# Altium PCB PCB.PcbDoc (continued)
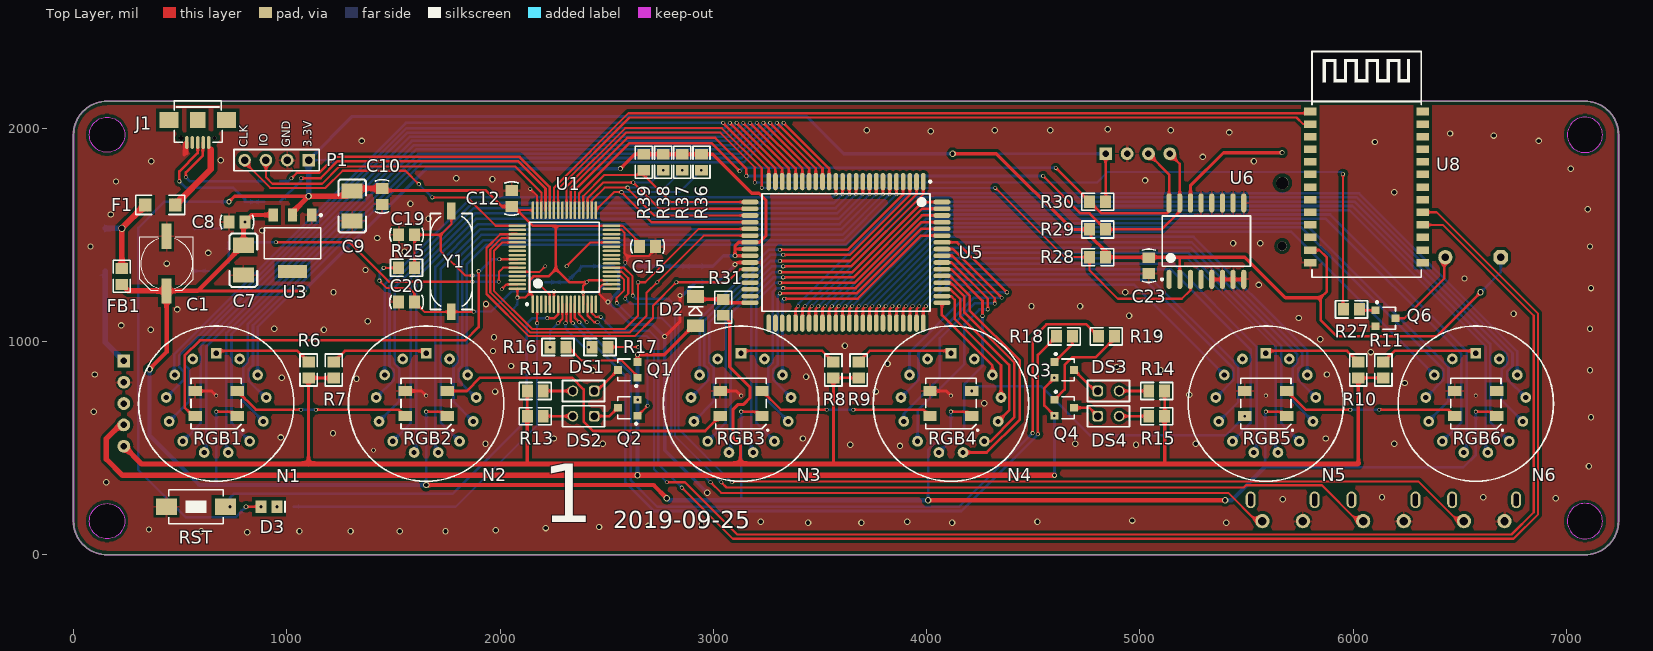
[diagram p0: Top Layer view]
## Nets (pads, with @x,y where several pads share a name; then routed paths per layer and width w, separated by ;. In a path a pad name is that pad's centre, name@x,y a point inside that pad or via, vN(x,y) a via of type N, cw(c..) or ccw(c..) an arc to the next point about the centre after c; other vN are vias at no path point) (continued)
HV_CLK: R35.1 U1.52 U5.30 | length 1898.9
  Top Layer w10: U1.52 2079.64,1485.36 2008.21,1485.36 1953.89,1431.04 1953.89,1230.48 2142.37,1042 2608.89,1042 2686.89,1120 2686.89,1227.6 v1(2736.89,1277.6) 2955.35,1496.06 U5.30
HV_DIN1: R39.1 U1.36 U5.25 | length 985.9
  Top Layer w10: U1.36 2390.47,1681.1 2489.37,1780 R39.1@2674.37,1780 ; U5.25 2800.83,1653.54 R39.1@2674.37,1780 ; R39.1@2674.37,1780 R39.1 R39.1@2674.37,1780
HV_DIN2: R38.1 U1.35 U5.26 | length 1062.9
  Top Layer w10: U1.35 2410.16,1670.79 2484.37,1745 v1(2624.37,1745) 2747.32,1622.05 U5.26
  Bottom Layer w10: v1(2624.37,1745) 2706.78,1745 v1(2764.37,1802.6)
HV_DIN3: R37.1 U1.34 U5.27 | length 1159.2
  Top Layer w10: U1.34 2429.84,1660.47 2490.37,1721 v1(2598.37,1721) 2598.37,1716 2723.82,1590.55 U5.27
  Bottom Layer w10: v1(2598.37,1721) 2772.78,1721 v1(2854.37,1802.6)
HV_DIN4: R36.1 U1.33 U5.28 | length 1233.6
  Top Layer w10: U1.33 2534.06,1700 v1(2569.37,1700) 2710.32,1559.06 U5.28
  Bottom Layer w10: v1(2569.37,1700) 2841.78,1700 v1(2944.37,1802.6)
HV_LE: R34.1 U1.53 U5.29 | length 1875
  Top Layer w10: U1.53 2010.79,1463.9 1970.89,1424 1970.89,1237.86 2149.75,1059 2585.89,1059 2646.89,1120 v1(2646.89,1277.6) 2681.49,1277.6 2931.45,1527.56 U5.29
HV_POL: R33.1 U1.51 U5.35 | length 1871
  Top Layer w10: U1.51 2079.64,1505.05 2051.89,1505.05 2051.89,1502.36 2001.17,1502.36 1936.89,1438.08 1936.89,1222.48 2134.37,1025 2631.89,1025 2716.89,1110 2716.89,1167.6 v1(2826.89,1277.6) 3064.49,1277.6 3125.47,1338.58 U5.35
KEY0: KEY0.1 U1.20 | length 3957.8
  Top Layer w10: U1.20 2563.96,1306.42 2581.89,1288.49 2581.89,1240 2546.89,1205 v1(2546.89,1180) ; v1(2986.89,340) 3036.89,290 5414.37,290 5546.89,157.48 KEY0.1
  Bottom Layer w10: v1(2546.89,1180) 2616.89,1110 2757.89,1110 2802.89,1065 2802.89,524 v1(2986.89,340)
KEY1: KEY1.1 U1.21 | length 4437.6
  Top Layer w10: U1.21 2570.79,1326.1 2600.89,1296 2600.89,1224 2586.89,1210 v1(2586.89,1200) ; v1(3036.89,340) 3061.89,315 5486.64,315 5497.49,325.85 5853.52,325.85 6021.89,157.48 KEY1.1
  Bottom Layer w10: v1(2586.89,1200) 2611.89,1175 2789.37,1175 2819.89,1144.48 2819.89,557 v1(3036.89,340)
KEY2: KEY2.1 U1.22 | length 4874.5
  Top Layer w10: U1.22 2581.1,1345.79 2621.89,1305 v1(2621.89,1215) ; v1(3086.89,340) 3089.74,342.85 6306.52,342.85 6491.89,157.48 KEY2.1
  Bottom Layer w10: v1(2621.89,1215) 2636.89,1200 2790.93,1200 2836.89,1154.04 2836.89,590 v1(3086.89,340)
LED: R32.1 U1.2 | length 1868.4
  Top Layer w10: v1(2173.94,1085) U1.2
  Bottom Layer w10: R32.1@1031.26,225 1791.89,225 2173.94,607.05 v1(2173.94,1085)
LED_RGB: RGB1.4 U1.57 | length 2210.2
  Top Layer w10: v1(1996.89,1385) 1997.05,1385.16 U1.57
  Top Layer w12: RGB1.4 562.28,649.61 521.52,690.37 521.52,933.56 592.95,1005 1836.89,1005 1899.37,1067.48 v1(1899.37,1330)
  Bottom Layer w12: v1(1899.37,1330) 1906.89,1330 1961.89,1385 v1(1996.89,1385)
NetB_2: B.2 Q6.3 | length 416
  Top Layer w10: Q6.3 6240.53,1108.64 6426.89,1295 B.2@6426.89,1405.08
NetBT_1: BT.1 U6.14 | length 575.1
  Top Layer w15: U6.14 5236.89,1730 5391.89,1885 v3(5666.89,1885)
NetD2_2: D2.2 R31.2 U5.40 | length 244.6
  Top Layer w15: D2.2 2930.28,1197.4 R31.2 ; R31.2@3063.19,1181.1 U5.40
NetD3_2: D3.2 R32.2
  other v3: 954.49,225
NetDS1_1: DS1.1 Q1.3 | length 151.2
  Top Layer w12: DS1.1 2453.74,767.72 Q1.3
NetDS1_2: DS1.2 R12.2 | length 139
  Top Layer w12: R12.2 DS1.2
NetDS2_1: DS2.1 Q2.3 | length 126.7
  Top Layer w12: DS2.1 2512.8,649.61 Q2.3
NetDS2_2: DS2.2 R13.2 | length 139
  Top Layer w12: R13.2 DS2.2
NetDS3_1: DS3.1 Q3.3 | length 151.2
  Top Layer w12: Q3.3 4790.35,767.72 DS3.1
NetDS3_2: DS3.2 R14.1 | length 139
  Top Layer w12: DS3.2 R14.1
NetDS4_1: DS4.1 Q4.3 | length 126.7
  Top Layer w12: Q4.3 4762.99,688.98 DS4.1
NetDS4_2: DS4.2 R15.2 | length 139
  Top Layer w12: DS4.2 R15.2
NetF1_1: F1.1 J1.1 | length 366.2
  Top Layer w15: J1.1 633.86,1910.51 644.37,1900
  Top Layer w30: F1.1 644.37,1807.48 644.37,1900
NetN1_1: N1.1 R6.1 | length 459.3
  Top Layer w12: N1.1 680.24,955.83 1050.08,955.83 R6.1
NetN2_1: N2.1 R7.1 | length 459.3
  Top Layer w12: R7.1 1272.75,955.82 1642.6,955.82 N2.1
NetN3_1: N3.1 R8.1 | length 459.3
  Top Layer w12: N3.1 3140.87,955.83 3510.71,955.83 R8.1
NetN4_1: N4.1 R9.1 | length 459.3
  Top Layer w12: R9.1 3733.38,955.82 4103.23,955.82 N4.1
NetN5_1: N5.1 R10.1 | length 459.3
  Top Layer w12: N5.1 5601.5,955.83 5971.34,955.83 R10.1
NetN6_1: N6.1 R11.1 | length 459.3
  Top Layer w12: R11.1 6194.01,955.82 6563.86,955.82 N6.1
NetQ1_1: Q1.1 R16.2 | length 406.9
  Top Layer w10: R16.2 2330.75,973.62 2330.75,962.96 2383.71,910 2571.89,910 2644.68,837.2 Q1.1
NetQ2_1: Q2.1 R17.2 | length 502.1
  Top Layer w10: R17.2 v1(2648.27,973.62) ; Q2.1 v1(2691.89,698.78)
  Bottom Layer w10: v1(2648.27,973.62) 2691.89,930 v1(2691.89,698.78)
NetQ3_1: Q3.1 R18.2 | length 154.7
  Top Layer w12: Q3.1 4683.07,987.2 R18.2
NetQ4_1: Q4.1 R19.2 | length 477.9
  Top Layer w12: Q4.1 4646.89,773.86 4646.89,890 4681.89,925 4791.89,925 4879.92,1013.03 R19.2
NetQ5_1: Q5.1 R2.1 | length 99.1
  Bottom Layer w10: R2.1@724.49,1465 728.15,1461.34 Q5.1
NetQ5_3: Q5.3 U9.2 | length 71.2
  Bottom Layer w10: U9.2@564.39,1330 Q5.3
NetQ6_1: Q6.1 R27.2 | length 78
  Top Layer w10: R27.2 6033.25,1146.04 Q6.1
NetR1_2: R1.2 U9.1 | length 177.5
  Bottom Layer w10: U9.1@564.39,1530 699.49,1530 R1.2
NetR21_2: R21.2 U1.44 | length 1478.2
  Top Layer w12: v1(1021.89,1765) 1046.89,1790 1151.89,1790 1226.89,1865 2091.89,1865 2232.99,1723.9 U1.44
  Bottom Layer w12: R21.2 1006.89,1750 v1(1021.89,1765)
NetR22_2: R22.2 U1.45 | length 1484.4
  Top Layer w12: v1(1066.89,1765) 1158.76,1765 1238.76,1845 2085.02,1845 2213.31,1716.71 U1.45
  Bottom Layer w12: R22.2 1066.89,1752.6 v1(1066.89,1765)
NetR23_2: R23.2 U1.60 | length 141.4
  Top Layer w10: U1.60 2185.59,1326.1 v1(2211.89,1352.4)
NetR26_1: R26.1 U1.28 | length 256.7
  Top Layer w10: v1(2311.89,1352.4) 2423.39,1463.9 U1.28
NetRGB1_2: RGB1.2 RGB2.4 | length 836.3
  Top Layer w12: RGB1.2 855.43,680 v1(1066.89,680) ; v1(1136.89,680) 1524.72,680 RGB2.4
  Bottom Layer w12: v1(1066.89,680) v1(1136.89,680)
NetRGB2_2: RGB2.2 RGB3.4 | length 1525.6
  Top Layer w12: RGB2.2 1844.61,767.72 1906.89,830 2336.89,830 2391.89,775 2391.89,625 2436.89,580 2961.89,580 RGB3.4
NetRGB3_2: RGB3.2 RGB4.4 | length 836.3
  Top Layer w12: RGB3.2 3316.06,680 v1(3531.89,680) ; v1(3656.89,680) 3985.35,680 RGB4.4
  Bottom Layer w12: v1(3531.89,680) v1(3656.89,680)
NetRGB4_2: RGB4.2 RGB5.4 | length 1421.1
  Bottom Layer w12: v1(4212.6,767.72) 4234.88,790 4536.89,790 4766.89,560 5402.52,560 v1(5492.13,649.61)
NetRGB5_2: RGB5.2 RGB6.4 | length 836.3
  Top Layer w12: RGB5.2 5776.69,680 v1(5986.89,680) ; v1(6121.89,680) 6445.98,680 RGB6.4
  Bottom Layer w12: v1(5986.89,680) v1(6121.89,680)
NetU4_1: U4.1 U9.3 | length 457.3
  Bottom Layer w25: U9.3@149.39,1330 149.39,995.49 U4.1
NX1-0: N1.12 U5.15 | length 3451.1
  Top Layer w12: v1(3329.37,2025) 3543.31,1811.06 U5.15
  Bottom Layer w12: N1.12 863.7,1066.81 1636.89,1840 3144.37,1840 v1(3329.37,2025)
NX1-1: N1.3 U5.24 | length 3485.1
  Top Layer w12: v1(3045.91,2025) 3259.84,1811.06 U5.24
  Bottom Layer w12: N1.3 471.89,845.85 471.89,937.68 1559.21,2025 v1(3045.91,2025)
NX1-2: N1.4 U5.23 | length 3637.2
  Top Layer w12: v1(3077.4,2025) 3291.34,1811.06 U5.23
  Bottom Layer w12: N1.4 516.89,819.23 516.89,860 496.89,880 496.89,935.81 1561.08,2000 3052.4,2000 v1(3077.4,2025)
NX1-3: N1.5 U5.22 | length 3759.9
  Top Layer w12: v1(3108.9,2025) 3322.83,1811.06 U5.22
  Bottom Layer w12: N1.5 541.89,718.36 541.89,870 521.52,890.37 521.52,933.56 1566.95,1979 3062.9,1979 v1(3108.9,2025)
NX1-4: N1.6 U5.21 | length 3824
  Top Layer w12: v1(3140.39,2025) 3354.33,1811.06 U5.21
  Bottom Layer w12: N1.6 597.52,616.72 597.52,980.63 1576.89,1960 3075.39,1960 v1(3140.39,2025)
NX1-5: N1.7 U5.20 | length 3849
  Top Layer w12: v1(3171.89,2025) 3385.83,1811.06 U5.20
  Bottom Layer w12: N1.7 622.82,489.37 622.82,975.93 1586.89,1940 3086.89,1940 v1(3171.89,2025)
NX1-6: N1.8 U5.19 | length 3823.5
  Top Layer w12: v1(3203.39,2025) 3417.32,1811.06 U5.19
  Bottom Layer w12: N1.8 716.89,488.25 716.89,1040 1596.89,1920 3098.39,1920 v1(3203.39,2025)
NX1-7: N1.9 U5.18 | length 3806.3
  Top Layer w12: v1(3234.88,2025) 3448.82,1811.06 U5.18
  Bottom Layer w12: N1.9 741.07,616.73 741.07,1034.18 1606.89,1900 3109.88,1900 v1(3234.88,2025)
NX1-8: N1.10 U5.17 | length 3707.5
  Top Layer w12: v1(3266.38,2025) 3480.32,1811.06 U5.17
  Bottom Layer w12: N1.10 796.89,718.18 796.89,881.91 817.07,902.09 817.07,1080.18 1616.89,1880 3121.38,1880 v1(3266.38,2025)
NX1-9: N1.11 U5.16 | length 3596.5
  Top Layer w12: v1(3297.87,2025) 3511.81,1811.06 U5.16
  Bottom Layer w12: N1.11 899.75,737.14 821.89,815 821.89,870 841.89,890 841.89,1075 1626.89,1860 3132.87,1860 v1(3297.87,2025)
NX2-0: N2.12 U5.5 | length 2730.4
  Top Layer w12: v1(3858.27,1690) U5.5
  Bottom Layer w12: N2.12 1843.48,847.32 1843.48,1361.59 1934.89,1453 3621.27,1453 v1(3858.27,1690)
NX2-1: N2.3 U5.14 | length 2774.2
  Top Layer w12: v1(3574.8,1690) U5.14
  Bottom Layer w12: N2.3 1459.14,1267.25 1866.89,1675 3559.8,1675 v1(3574.8,1690)
NX2-2: N2.4 U5.13 | length 2927
  Top Layer w12: v1(3606.3,1690) U5.13
  Bottom Layer w12: N2.4 1501.89,819.98 1501.89,865 1481.89,885 1481.89,1260 1871,1649.11 3565.41,1649.11 v1(3606.3,1690)
NX2-3: N2.5 U5.12 | length 3048.4
  Top Layer w12: v1(3637.8,1690) U5.12
  Bottom Layer w12: N2.5 1526.89,719.11 1526.89,875 1505.77,896.12 1505.77,1253.88 1876.89,1625 3572.8,1625 v1(3637.8,1690)
NX2-4: N2.6 U5.11 | length 3111.3
  Top Layer w12: v1(3669.29,1690) U5.11
  Bottom Layer w12: N2.6 1581.77,616.72 1581.77,1299.88 1881.89,1600 3579.29,1600 v1(3669.29,1690)
NX2-5: N2.7 U5.10 | length 3137
  Top Layer w12: v1(3700.79,1690) U5.10
  Bottom Layer w12: N2.7 1606.89,489.18 1606.89,1295 1886.89,1575 3586.89,1575 3700.79,1688.9 v1(3700.79,1690)
NX2-6: N2.8 U5.9 | length 3111.4
  Top Layer w12: v1(3732.28,1690) U5.9
  Bottom Layer w12: N2.8 1696.89,492.51 1696.89,1350 1896.89,1550 3592.28,1550 v1(3732.28,1690)
NX2-7: N2.9 U5.8 | length 3090.6
  Top Layer w12: v1(3763.78,1690) U5.8
  Bottom Layer w12: N2.9 1721.89,620.16 1721.89,1340 1906.89,1525 3598.78,1525 v1(3763.78,1690)
NX2-8: N2.10 U5.7 | length 2988.4
  Top Layer w12: v1(3795.28,1690) U5.7
  Bottom Layer w12: N2.10 1781.89,717.43 1781.89,882.66 1801.32,902.09 1801.32,1389.43 1911.89,1500 3605.28,1500 v1(3795.28,1690)
NX2-9: N2.11 U5.6 | length 2874
  Top Layer w12: v1(3826.77,1690) U5.6
  Bottom Layer w12: N2.11 1884.75,737.14 1806.89,815 1806.89,870 1821.89,885 1821.89,1375 1921.89,1475 3611.77,1475 v1(3826.77,1690)
NX3-0: N3.12 U5.75 | length 1222.9
  Top Layer w12: v1(3331.89,1200) 3676.89,1200 3972.95,1496.06 U5.75
  Bottom Layer w12: N3.12 3324.33,1192.44 v1(3331.89,1200)
NX3-1: N3.3 U5.4 | length 1518.2
  Top Layer w12: v1(3311.89,1430) 3631.89,1430 3889.76,1687.87 U5.4
  Bottom Layer w12: N3.3 2935.52,1103.63 3261.89,1430 v1(3311.89,1430)
NX3-2: N3.4 U5.3 | length 1668.8
  Top Layer w12: v1(3326.89,1406.01) 3639.57,1406.01 3921.26,1687.7 ; 3921.26,1690 U5.3
  Bottom Layer w12: N3.4 2976.89,818.6 2976.89,870 2956.89,890 2956.89,1095 3267.9,1406.01 v1(3326.89,1406.01)
NX3-3: N3.5 U5.2 | length 1793.3
  Top Layer w12: v1(3311.89,1377) 3639.76,1377 3952.76,1690 U5.2 U5.2@3954.89,1746.88
  Bottom Layer w12: N3.5 3001.89,717.73 3001.89,880 2981.89,900 2981.89,1090 3268.89,1377 v1(3311.89,1377)
NX3-4: N3.6 U5.1 | length 1854
  Top Layer w12: v1(3326.89,1352) 3646.25,1352 3984.25,1690 U5.1
  Bottom Layer w12: N3.6 3058.15,616.72 3058.15,1136.26 3273.89,1352 v1(3326.89,1352)
NX3-5: N3.7 U5.80 | length 1861
  Top Layer w12: v1(3311.89,1325) 3651.89,1325 3980.43,1653.54 U5.80
  Bottom Layer w12: N3.7 3081.89,487.81 3081.89,1130 3276.89,1325 v1(3311.89,1325)
NX3-6: N3.8 U5.79 | length 1791.5
  Top Layer w12: v1(3326.89,1300) 3656.89,1300 3978.94,1622.05 U5.79
  Bottom Layer w12: N3.8 3176.89,488.88 3176.89,1195 3281.89,1300 v1(3326.89,1300)
NX3-7: N3.9 U5.78 | length 1728.7
  Top Layer w12: v1(3311.89,1275) 3661.89,1275 3977.44,1590.55 U5.78
  Bottom Layer w12: N3.9 3201.7,616.73 3201.7,1188.79 3287.91,1275 v1(3311.89,1275)
NX3-8: N3.10 U5.77 | length 1583.5
  Top Layer w12: v1(3326.89,1250) 3666.89,1250 3975.94,1559.06 U5.77
  Bottom Layer w12: v1(3326.89,1250) 3296.89,1250 3277.7,1230.81 3277.7,900.81 3256.89,880 3256.89,720 3350.8,626.09 N3.10
NX3-9: N3.11 U5.76 | length 1419.8
  Top Layer w12: v1(3311.89,1225) 3671.89,1225 3974.45,1527.56 U5.76
  Bottom Layer w12: v1(3311.89,1225) 3301.89,1215 3301.89,890 3281.89,870 3281.89,819.67 N3.11
NX4-0: N4.12 U5.65 | length 436.3
  Top Layer w12: U5.65 4071.85,1123.67 4308.58,886.94 N4.12
NX4-1: N4.3 U5.74 | length 1092.4
  Top Layer w12: N4.3@3911.89,850.73 N4.3 ; U5.74 4142.32,1464.57 v1(4376.89,1230)
  Bottom Layer w12: N4.3 3919.77,947.88 4201.89,1230 v1(4376.89,1230)
NX4-2: N4.4 U5.73 | length 1114.1
  Top Layer w12: U5.73 4123.82,1433.07 v1(4351.89,1205)
  Bottom Layer w12: N4.4 3961.89,819.35 3961.89,945 4221.89,1205 v1(4351.89,1205)
NX4-3: N4.5 U5.72 | length 1141.8
  Top Layer w12: U5.72 4120.32,1401.57 4319.39,1202.5 v1(4319.39,1177.5)
  Bottom Layer w12: N4.5 3893.31,661.42 4061.89,830 4061.89,1015 4226.89,1180 4316.89,1180 v1(4319.39,1177.5)
NX4-4: N4.6 U5.71 | length 1113.5
  Top Layer w12: U5.71 4116.81,1370.08 4286.89,1200 v1(4286.89,1150)
  Bottom Layer w12: N4.6 3957.53,675.64 4176.89,895 4176.89,1080 4246.89,1150 v1(4286.89,1150)
NX4-5: N4.7 U5.70 | length 1046.9
  Top Layer w12: U5.70 4113.31,1338.58 4261.95,1189.94 v1(4261.95,1120)
  Bottom Layer w12: N4.7 4176.89,598.55 4176.89,800 4261.95,885.06 v1(4261.95,1120)
NX4-6: N4.8 U5.69 | length 1176.2
  Top Layer w12: U5.69 4109.8,1307.09 4201.89,1215 4201.89,1145 4436.89,910 4436.89,635 4281.2,479.31 N4.8
NX4-7: N4.9 U5.68 | length 982.5
  Top Layer w12: U5.68 4111.3,1275.59 4176.89,1210 4176.89,1135 4411.89,900 4411.89,645 4298.74,531.85 N4.9
NX4-8: N4.10 U5.67 | length 795.1
  Top Layer w12: U5.67 4112.8,1244.09 4156.89,1200 4156.89,1120 4386.89,890 4386.89,676.74 N4.10
NX4-9: N4.11 U5.66 | length 615
  Top Layer w12: U5.66 4114.29,1212.6 4131.89,1195 4131.89,1105 4348.67,888.22 N4.11
NX5-0: N5.12 U5.55 | length 2625.6
  Top Layer w12: U5.55 3700.79,1152.36 v1(3713.43,1165)
  Bottom Layer w12: v1(3713.43,1165) 4038.43,1490 5251.89,1490 5784.96,956.93 N5.12
NX5-1: N5.3 U5.64 | length 1700.1
  Top Layer w12: U5.64 3984.25,1152.36 v1(3996.89,1165)
  Bottom Layer w12: v1(3996.89,1165) 4096.89,1265 4974,1265 N5.3
NX5-2: N5.4 U5.63 | length 1951.1
  Top Layer w12: U5.63 3952.76,1152.36 v1(3965.39,1165)
  Bottom Layer w12: v1(3965.39,1165) 4090.39,1290 5021.89,1290 5436.89,875 5436.89,817.97 N5.4
NX5-3: N5.5 U5.62 | length 2151.1
  Top Layer w12: U5.62 3921.26,1152.36 v1(3933.9,1165)
  Bottom Layer w12: v1(3933.9,1165) 4083.9,1315 5031.89,1315 5442.78,904.11 5442.78,902.08 5461.89,882.97 5461.89,717.1 N5.5
NX5-4: N5.6 U5.61 | length 2394.8
  Top Layer w12: U5.61 3889.76,1152.36 v1(3902.4,1165)
  Bottom Layer w12: v1(3902.4,1165) 4075.98,1338.58 5143.31,1338.58 5518.78,963.11 5518.78,616.72 N5.6
NX5-5: N5.7 U5.60 | length 2506
  Top Layer w12: U5.60 3858.27,1152.36 v1(3870.91,1165)
  Bottom Layer w12: v1(3870.91,1165) 4070.91,1365 5156.89,1365 5546.89,975 5546.89,492.18 N5.7
NX5-6: N5.8 U5.59 | length 2647.1
  Top Layer w12: U5.59 3826.77,1152.36 v1(3839.41,1165)
  Bottom Layer w12: v1(3839.41,1165) 4064.41,1390 5221.89,1390 5636.89,975 5636.89,489.51 N5.8
NX5-7: N5.9 U5.58 | length 2705.8
  Top Layer w12: U5.58 3795.28,1152.36 v1(3807.91,1165)
  Bottom Layer w12: v1(3807.91,1165) 4057.91,1415 5226.89,1415 5661.89,980 5661.89,617.17 N5.9
NX5-8: N5.10 U5.57 | length 2729.8
  Top Layer w12: U5.57 3763.78,1152.36 v1(3776.42,1165)
  Bottom Layer w12: v1(3776.42,1165) 4051.42,1440 5236.89,1440 5738.33,938.56 5738.33,901.44 5716.89,880 5716.89,719.44 N5.10
NX5-9: N5.11 U5.56 | length 2691.8
  Top Layer w12: U5.56 3732.28,1152.36 v1(3744.92,1165)
  Bottom Layer w12: v1(3744.92,1165) 4044.92,1465 5241.89,1465 5761.89,945 5761.89,890 5741.89,870 5741.89,820.3 N5.11
NX6-0: N6.12 U5.45 | length 4098.1
  Top Layer w12: U5.45 3385.83,1152.36 v1(3398.47,1165)
  Bottom Layer w12: v1(3398.47,1165) 3398.47,1176.58 3915.89,1694 6027.89,1694 6769.21,952.68 N6.12
NX6-1: N6.3 U5.54 | length 3206.5
  Top Layer w12: U5.54 3669.29,1152.36 v1(3681.93,1165)
  Bottom Layer w12: v1(3681.93,1165) 4031.93,1515 5708.25,1515 N6.3
NX6-2: N6.4 U5.53 | length 3451.4
  Top Layer w12: U5.53 3637.8,1152.36 v1(3650.43,1165)
  Bottom Layer w12: v1(3650.43,1165) 4020.43,1535 5756.89,1535 6421.89,870 6421.89,818.72 N6.4
NX6-3: N6.5 U5.52 | length 3647.3
  Top Layer w12: U5.52 3606.3,1152.36 v1(3618.94,1165)
  Bottom Layer w12: v1(3618.94,1165) 4008.94,1555 5771.89,1555 6446.89,880 6446.89,720 6353.94,627.05 N6.5
NX6-4: N6.6 U5.51 | length 3881.8
  Top Layer w12: U5.51 3574.8,1152.36 v1(3587.44,1165)
  Bottom Layer w12: v1(3587.44,1165) 3997.44,1575 5871.89,1575 6506.89,940 6506.89,620.58 N6.6
NX6-5: N6.7 U5.50 | length 3985.1
  Top Layer w12: U5.50 3543.31,1152.36 v1(3555.95,1165)
  Bottom Layer w12: v1(3555.95,1165) 3985.95,1595 5891.89,1595 6531.89,955 6531.89,492.92 N6.7
NX6-6: N6.8 U5.49 | length 4133.1
  Top Layer w12: U5.49 3511.81,1152.36 v1(3524.45,1165)
  Bottom Layer w12: v1(3524.45,1165) 3974.45,1615 5981.89,1615 6621.89,975 6621.89,488.77 N6.8
NX6-7: N6.9 U5.48 | length 4189.9
  Top Layer w12: U5.48 3480.32,1152.36 v1(3492.95,1165)
  Bottom Layer w12: v1(3492.95,1165) 3962.95,1635 5995.69,1635 6641.89,988.8 6641.89,621.42 N6.9
NX6-8: N6.10 U5.47 | length 4211.1
  Top Layer w12: U5.47 3448.82,1152.36 v1(3461.46,1165)
  Bottom Layer w12: v1(3461.46,1165) 3951.46,1655 6006.89,1655 6722.58,939.31 6722.58,895.69 6696.89,870 6696.89,723.69 N6.10
NX6-9: N6.11 U5.46 | length 4169.6
  Top Layer w12: U5.46 3417.32,1152.36 v1(3429.96,1165)
  Bottom Layer w12: v1(3429.96,1165) 3939.96,1675 6016.89,1675 6746.89,945 6746.89,885 6721.89,860 6721.89,824.56 N6.11
ON/OFF: R2.2 U1.59 | length 1412.8
  Top Layer w10: v1(949.37,1465) 1294.37,1465 1479.37,1280 v1(1870.48,1280) ; v1(1994.37,1280) 1994.37,1325.79 2014.37,1345.79 U1.59
  Bottom Layer w10: R2.2@799.29,1465 v1(949.37,1465) ; v1(1870.48,1280) v1(1994.37,1280)
OSC_IN: C19.2 R25.2 U1.5 Y1.2 | length 1126.1
  Top Layer w10: R25.2 C19.2 1721.89,1500 ; Y1.2 1771.72,1549.83 1721.89,1500 ; v1(1870.37,1309) 1836.48,1309 1721.89,1423.6 1721.89,1500 ; v1(2164.37,1279) 2172.89,1279 2232.99,1218.9 U1.5
  Bottom Layer w10: v1(1870.37,1309) 2134.37,1309 v1(2164.37,1279)
OSC_OUT: C20.2 R25.1 U1.6 Y1.1 | length 1140
  Top Layer w10: v1(1434.37,1285) 1469.37,1250 1574.37,1250 1599.29,1225.08 C20.2 1645.51,1138.78 Y1.1 1875.67,1138.78 v1(1876.89,1140) ; v1(1454.37,1345) R25.1 ; U1.6 v1(2252.68,1234.21)
  Bottom Layer w10: v1(1434.37,1285) 1434.37,1325 v1(1454.37,1345) ; v1(1876.89,1140) 1959.37,1140 2053.58,1234.21 v1(2252.68,1234.21)
RESET: C18.1 R20.1 RST.1 U1.7 | length 2248.1
  Top Layer w12: v1(2221.39,1109.5) 2254.6,1109.5 2272.36,1127.26 U1.7
  Bottom Layer w12: v3(734.49,225) 734.49,267.6 751.89,285 1776.89,285 2124.29,632.4 C18.1 2124.29,1082.4 2151.39,1109.5 v1(2221.39,1109.5) v1@2221.89,1110
SCL: R30.1 U1.37 U6.16 U7.3 | length 3406.7
  Top Layer w10: U1.37 2370.79,1693.44
  Top Layer w12: 2370.79,1693.44 2607.35,1930 2991.26,1930 v1(3123.03,1798.23) ; v1(4605.63,1813.86) R30.1 4819.49,1600 5126.89,1600 5136.89,1610 U6.16 5136.89,1782.48 U7.3@5039.37,1880
  Bottom Layer w12: v1(3123.03,1798.23) 3139.28,1814.48 4605.01,1814.48 v1(4605.63,1813.86)
SDA: R29.1 U1.38 U6.15 U7.4 | length 3553.2
  Top Layer w10: U1.38 2351.1,1709.21
  Top Layer w12: 2351.1,1709.21 2596.89,1955 3008.72,1955 3154.85,1808.87 v1(3154.85,1775.48) ; v1@4546.89,1775 4721.89,1600 4764.29,1600 R29.1 5101.89,1525 5186.89,1610 U6.15 5186.89,1832.48 U7.4@5139.37,1880
  Bottom Layer w12: v1(3154.85,1775.48) v1(4546.41,1775.48)
SWCLK: P1.4 U1.49 | length 1478.2
  Top Layer w10: P1.4 802.44,1840.41 922.85,1720 1181.89,1720 1261.89,1800 1556.89,1800 v1(1619.37,1737.52) ; v1(1681.89,1675) 1846.89,1675 1979.25,1542.64 U1.49
  Bottom Layer w10: v1(1619.37,1737.52) v1(1681.89,1675)
SWDIO: P1.3 U1.46 | length 1551.1
  Top Layer w10: P1.3 902.44,1769.45 932.89,1739 1165.89,1739 1246.89,1820 2071.89,1820 2193.62,1698.27 U1.46
USB_D+: J1.3 R22.1 R24.1 | length 661.1
  Top Layer w12: v1(496.89,1750) 496.89,1797.52 582.68,1883.31 J1.3
  Bottom Layer w12: v1(496.89,1750) 526.89,1720 749.89,1720 804.29,1665.6 R24.1 R22.1
USB_D-: J1.2 R21.1 | length 572
  Top Layer w12: v1(526.89,1770) 526.89,1792.52 606.37,1872 606.37,1930.54 J1.2
  Bottom Layer w12: v1(526.89,1770) 546.89,1750 R21.1
VCC3.3: B.1 C9.1 C10.1 C12.2 C13.2 C14.2 C15.2 C16.2 C17.1 C23.1 D3.1 P1.1 R20.2 R24.2 R28.2 R29.2 R30.2 U1.1 U1.13 U1.19 U1.32 U1.48 U1.64 U3.2 U6.2 U7.1 U8.12 | length 13718.5
  Top Layer w10: v3(809.29,225) v3(879.49,225) ; C12.2@2079.94,1615.47 U1.48 ; U1.64 v1(2081.42,1205.47) 2117.36,1205.47 2139.89,1228 2154.25,1213.64 U1.1 ; 2261.89,1541.86 2575.03,1541.86 2654.49,1462.4 C15.2 ; v1(2389.29,1230) 2389.29,1260 v1(2406.89,1277.6) 2416.02,1286.73 U1.19@2492.36,1286.73 ; U1.13 v1@2390.47,1228.58
  Top Layer w12: C12.2@2058.56,1636.86 2079.94,1615.47 2153.56,1541.86 2261.89,1541.86 2261.89,1340 ; 2139.89,1228 2139.89,1288 2156.89,1305 2226.89,1305 2261.89,1340 ; v1(2406.89,1277.6) 2324.29,1277.6 2261.89,1340 ; R30.2 4839.37,1655.08 U7.1@4839.37,1880 ; 5181.89,1395 5186.89,1390 U6.2 ; U8.12 5840.91,1428.46 5876.89,1392.48 5876.89,1235 5846.89,1205 5846.89,1100 5921.89,1025 6391.89,1025 v2(6596.89,1230)
  Top Layer w15: v4(729.49,1655) 755.04,1680.55 v2(1102.44,1680.55) ; C10.1@1451.89,1707.4 1934.37,1707.4 2009.17,1632.6 C12.2 ; v2(4121.89,1880) 4326.89,1880 4681.89,1525 R29.2 ; R29.2@4770.36,1525 4770.36,1491.53 4839.29,1422.6 R28.2 5181.89,1395 5491.89,1395 5681.89,1205 5846.89,1205
  Top Layer w20: R29.2 R29.2@4770.36,1525
  Top Layer w25: U3.2 1026.89,1605 v2(1102.44,1680.55) 1282.44,1680.55 C9.1 1319.29,1717.4 C10.1
  Bottom Layer w10: P1.1 C17.1 C17.1@1211.89,1850 ; C13.2 2081.42,1171.93 v1(2081.42,1205.47) ; v1(2389.29,1230) 2454.29,1230 C16.2
  Bottom Layer w12: v4(729.49,1655) 426.89,1655 303.89,1532 303.89,398 526.89,175 759.29,175 v3(809.29,225) ; v2(4121.89,1880) U7.1@4839.37,1880 ; v2(6596.89,1230) 6691.81,1324.92 B.1
  Bottom Layer w15: P1.1 1307.44,2055 3436.89,2055 3611.89,1880 v2(4121.89,1880)
  Bottom Layer w25: v2(1102.44,1680.55) P1.1 ; C17.1@1211.89,1850 C17.1@1216.89,1845
VCC5: C1.1 C7.1 C8.1 C11.1 C24.1 C25.1 C26.1 C27.1 C28.1 C29.1 FB1.2 R1.1 R33.2 R34.2 R35.2 R36.2 R37.2 R38.2 R39.2 RGB1.1 RGB2.1 RGB3.1 RGB4.1 RGB5.1 RGB6.1 U3.3 U5.31 U5.32 U5.33 | length 14749.6
  Top Layer w12: v1(669.29,671.26) 746.06,671.26 RGB1.1 ; v1(1653.54,671.26) 1730.31,671.26 RGB2.1 ; v1(3129.92,671.26) 3206.69,671.26 RGB3.1 ; v1(4114.17,671.26) 4190.94,671.26 RGB4.1 ; v1(5590.55,671.26) 5667.32,671.26 RGB5.1 ; v1(6574.8,671.26) 6651.57,671.26 RGB6.1
  Top Layer w15: 583.13,1237.05 v4(1080.7,1237.05) ; v4(2564.37,1810) 2631.77,1877.4 R39.2 R38.2 R37.2 R36.2 2996.97,1877.4 3179.37,1695 3214.37,1695 3246.89,1662.48 3246.89,1495 3216.46,1464.57 U5.31 3118.46,1464.57 3101.89,1448 3101.89,1434 ; U5.33 v3(3101.89,1401.57) 3101.89,1434 ; U5.32 3102.82,1433.07 3101.89,1434
  Top Layer w20: v2(356.89,870) 436.89,950 C1.1 583.13,1237.05 C7.1 796.89,1552.6 v1(804.29,1560) 837.17,1592.87 932.9,1592.87 U3.3@934.62,1591.16 ; v2(1653.54,326.65) 2720.24,326.65 v2(2781.89,265) ; v2(4006.89,255) v2(5399.37,255)
  Top Layer w25: FB1.2 257.44,1237.05 C1.1
  Bottom Layer w12: 669.29,326.65 v1(669.29,671.26) ; v2(1653.54,326.65) v1(1653.54,671.26) ; v1(3129.92,671.26) 3131.89,669.29 3131.89,265 ; v2(4006.89,255) 4006.89,490 4114.17,597.28 v1(4114.17,671.26) ; 5586.89,410 6516.89,410 6574.8,467.91 v1(6574.8,671.26) ; 5586.89,412.52 5586.89,667.6 v1(5590.55,671.26)
  Bottom Layer w15: v4(1080.7,1237.05) 1653.66,1810 v4(2564.37,1810) ; R34.2 R35.2 R33.2 C11.1 2998.54,1352.4 3047.72,1401.57 v3(3101.89,1401.57)
  Bottom Layer w20: v2(356.89,870) 356.89,560 590.24,326.65 669.29,326.65 v2(1653.54,326.65) ; v2(2781.89,265) 2791.89,255 v2(4006.89,255) ; v2(5399.37,255) 5429.37,255 5586.89,412.52
VCCH: R6.2 R7.2 R8.2 R9.2 R10.2 R11.2 R12.1 R13.1 R14.2 R15.1 R31.1 U4.4 | length 8884.2
  Top Layer w12: R13.1 R12.1 ; R8.2 R9.2 ; R15.1 R14.2 ; R10.2 R11.2
  Top Layer w15: 1101.89,425 1101.89,828.27 R6.2 R7.2 ; 2126.89,425 2127.95,426.06 R13.1 ; R31.1 3076.89,1092.6 3076.89,880 3171.89,785 3171.89,735 3141.89,705 3116.89,705 3091.89,680 3091.89,550 3126.89,515 3126.89,425 ; 3561.89,425 3562.99,426.1 R8.2 ; R15.1 5116.14,425.75 5116.89,425 ; 6023.62,428.27 R10.2
  Top Layer w25: U4.4 319.88,425 1101.89,425 2126.89,425 3126.89,425 3561.89,425 5116.89,425 6020.35,425 6023.62,428.27
pads on no net: BT.0 J1.0 J1.4 J1.6 J1.7 J1.8 KEY0.3 KEY0.4 KEY1.3 KEY1.4 KEY2.3 KEY2.4 N1.2 N1.13 N2.2 N2.13 N3.2 N3.13 N4.2 N4.13 N5.2 N5.13 N6.2 N6.13 RGB6.2 U1.3 U1.4 U1.16 U1.17 U1.23 U1.24 U1.25 U1.26 U1.27 U1.29 U1.30 U1.41 U1.50 U1.54 U1.55 U1.56 U1.58 U1.61 U1.62 U3.4 U4. U5.36 U5.37 U5.38 U5.39 U5.41 U5.42 U5.43 U5.44 U6.1 U6.4 U8.3 U8.4 U8.5 U8.6 U8.7 U8.8 U8.9 U8.10 U8.11 U8.14 U8.15 U8.16 U8.19 U8.20 U8.21 U8.22 U8.23 U8.24 U8.25 U8.26

## Polygon pours and split planes (outlines as drawn)
GND on Top Layer "Top Layer-No Net" (solid, remove dead copper, pour order 10): -125,1965 175,2265 405,2265 7075,2265 7375,1965 7375,130 7095,-150 225,-150 -125,200
GND on Bottom Layer "Top Layer-No Net" (solid, remove dead copper, pour order 12): -125,1965 175,2265 405,2265 7075,2265 7375,1965 7375,130 7095,-150 225,-150 -125,200

## Keep-outs
Keep-Out Layer:
  the board outline again, w7.87

## Silkscreen, mask and mechanical layers (free items; w line width, h text height)
Top Overlay:
  text "IO" at 911.89,1915 h39.37 r90
  text "CLK" at 816.89,1910 h39.37 r90
  text "GND" at 1016.89,1910 h39.37 r90
  text "3.3V" at 1116.89,1910 h39.37 r90
  text "2019-09-25" at 2531.89,95 h137.8
  text "1" at 2196.89,60 h472.44
Mechanical 1:
  circle w7.87: c157.48,157.48 r82.68
  circle w7.87: c7086.61,157.48 r82.68
  circle w7.87: c7086.61,1968.5 r82.68
  circle w7.87: c157.48,1968.5 r82.68